# Allegro board mini_trx_layout.brd (continued)
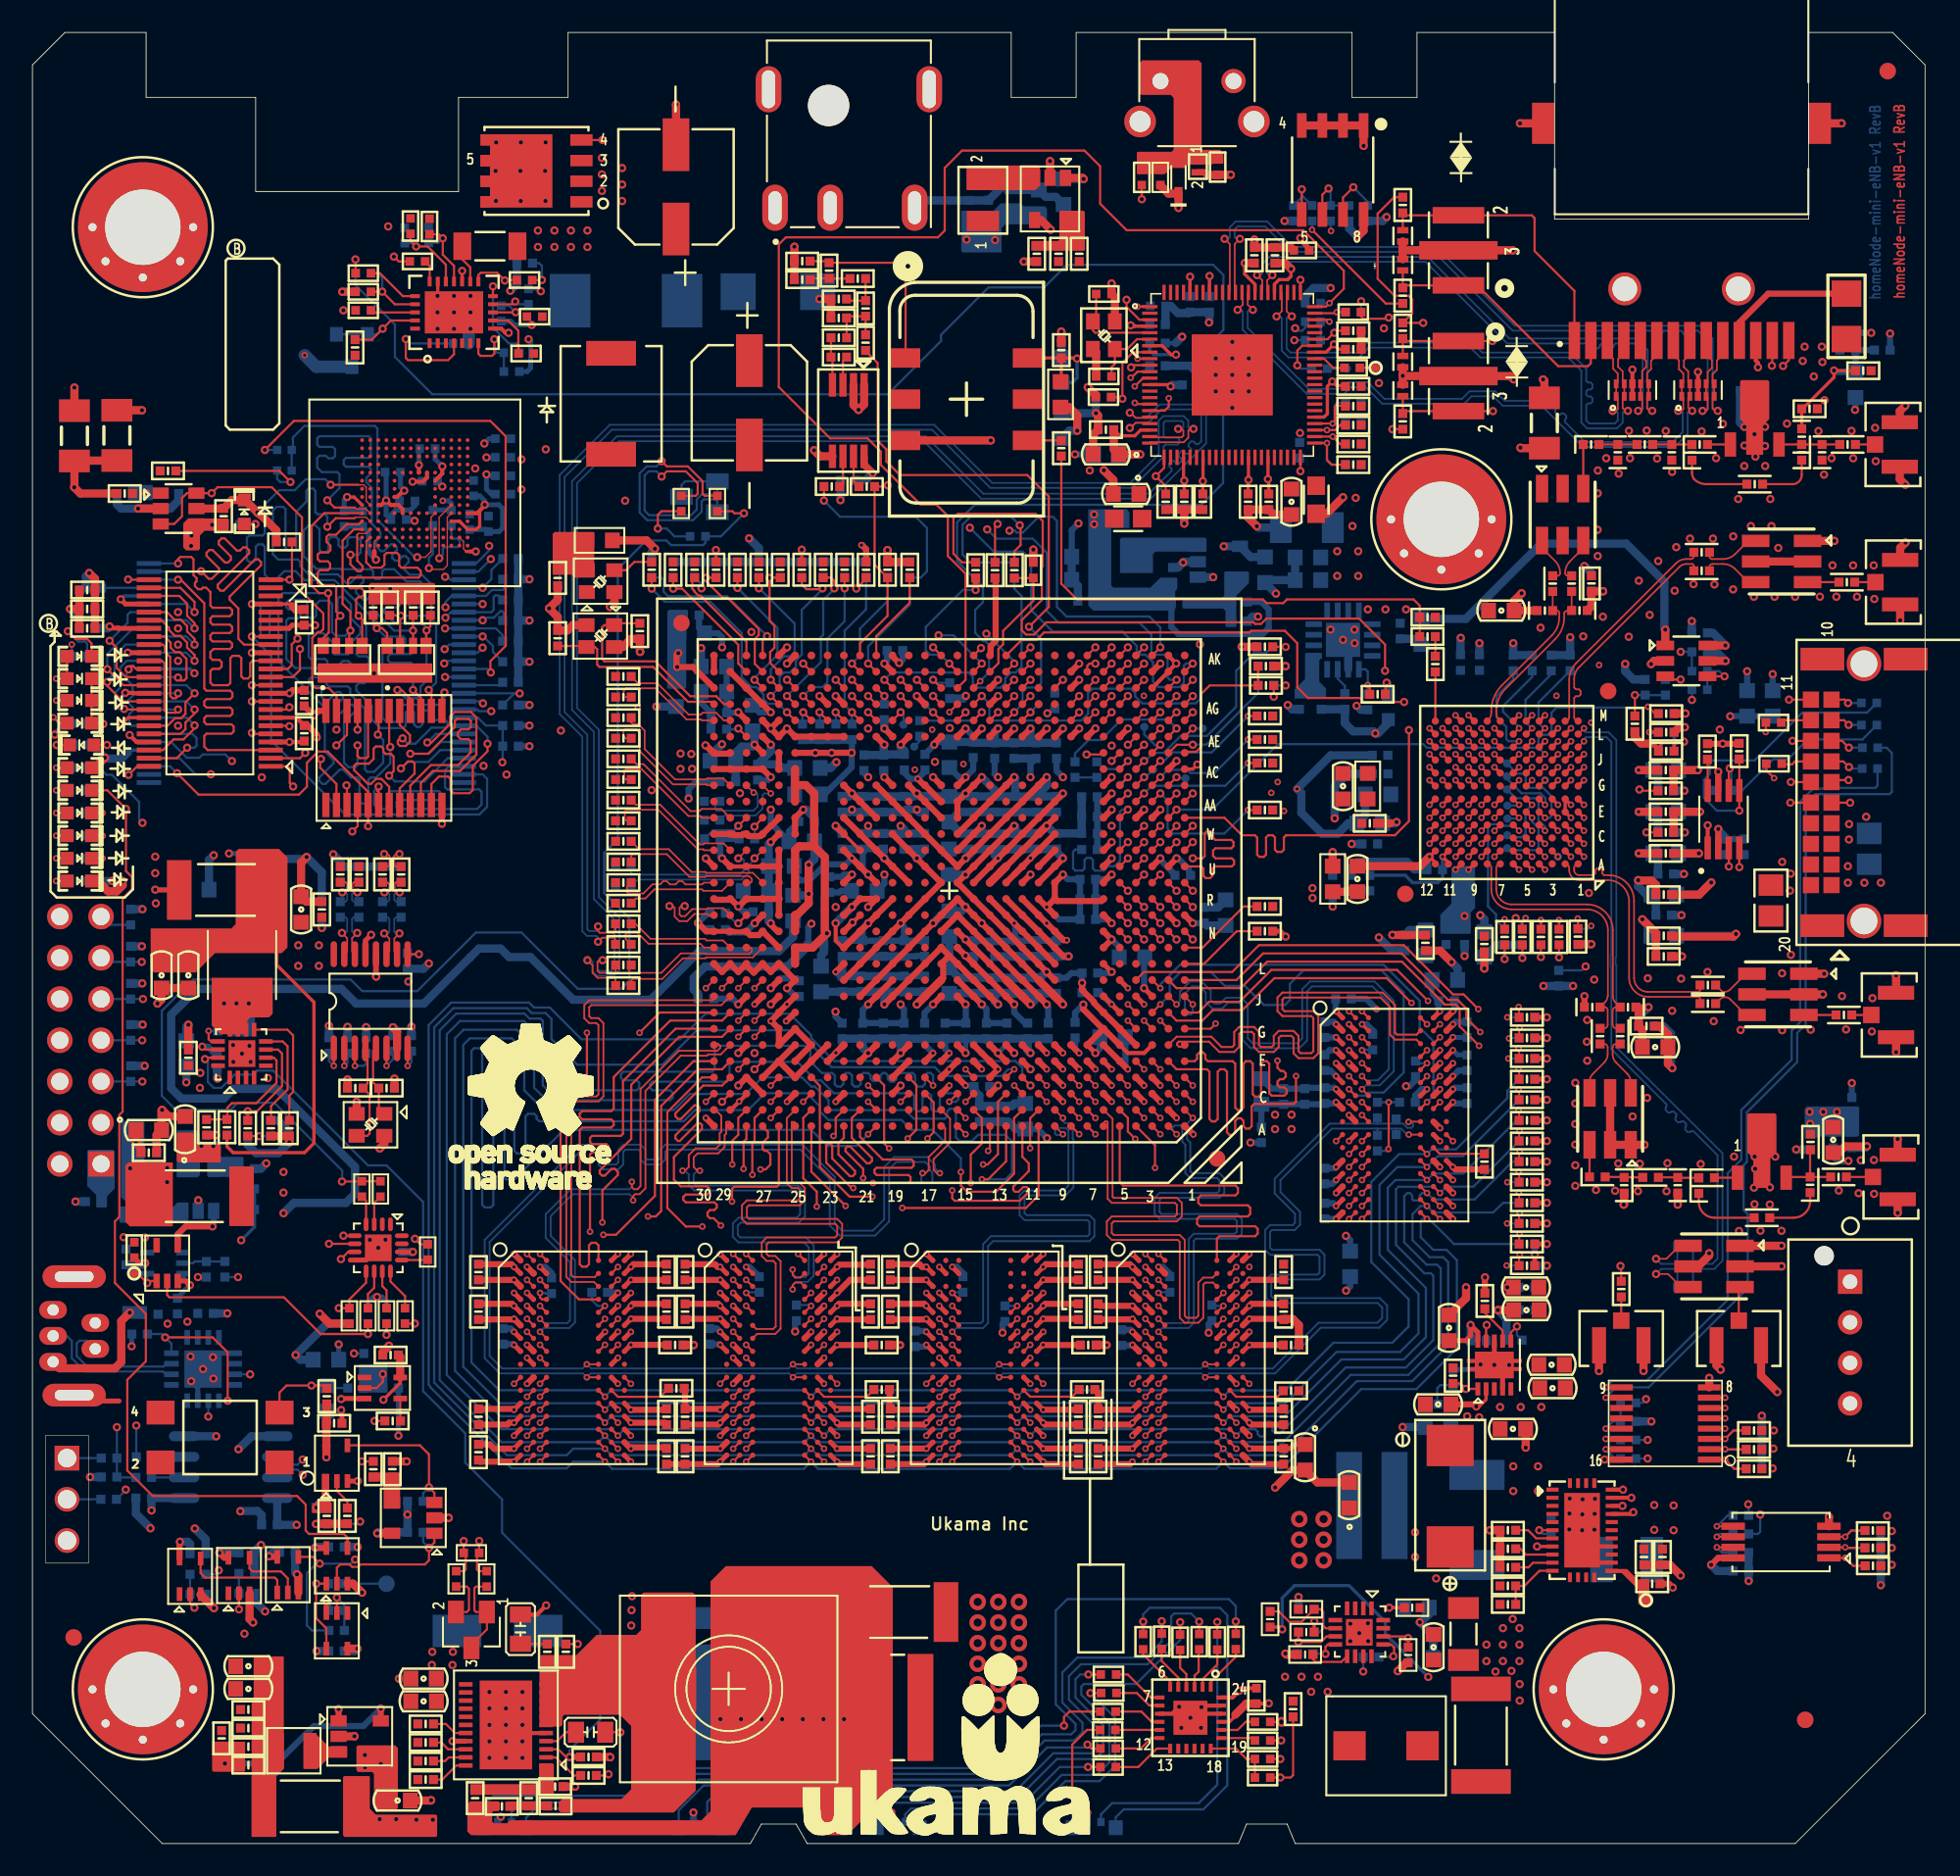
[diagram p0: board, top side]
## Routing (per net, layer and track width the routed paths; a pad name or vN(x,y) marks a point on that pad's centre or on a via; arc(x,y) is an arc through that point) (continued)
1V35_PG: length 36.9
  TOP w0.137: U14.14 10.63,48.93 v1(10.46,49.1)
  L3-SIGNAL w0.127: v1(10.46,49.1) 9.04,47.68 9.04,47.09 9.03,47.09 9.03,46.72 9.04,46.72 9.04,23.57 10.84,21.77 10.84,17.66 11.47,17.02 v1(11.47,16.84)
  BOTTOM w0.137: R436.1 11.27,16.59 11.47,16.79 v1(11.47,16.84)
  BOTTOM w0.381: R340.2 11.14,48.78 10.81,49.1 v1(10.46,49.1)
3V3: length 180.4
  TOP w0.203: U22.42 5.9,69.38 v1(5.49,68.98) ; 47.39,79.73 v1(47.4,79.73) R139.1 ; R129.1 42.11,79.58 42.11,79.58 v1(42.11,79.71) ; C115.1 v1(17.41,75.07) ; U57.5 22.66,28.38 v1(21.62,27.35) ; 74.1,7.94 74.1,7.86 73.74,7.5 U242.21
  TOP w0.254: C614.2 76.15,8.62 v1(76.17,8.64) ; C113.1 16.26,69.38 14.68,69.38 U22.7
  TOP w0.305: C651.2 78.66,98.28 78.11,98.83 v1(78.11,98.93) ; U28.14 v1(23.44,36.46) ; U22.31 5.31,74.88 5.29,74.9 4.85,74.9 v1(4.75,75) ; U42.10 89.05,31.51 v1(88.6,31.95) 88.6,31.29 88.3,30.99 C179.1 ; U22.18 15.8,74.88 16,75.07 C115.1
  TOP w0.356: 21.16,53.43 U13.12
  TOP w0.381: C113.1 16.95,68.9 17.51,68.33 v1(17.51,68.16) ; R76.1 100.83,16.01 v1(101.06,15.77) ; v1(14.57,17.71) 14.61,17.67 U34.5 ; U1.AJ3 v1(69.49,72.71) ; U1.AK19 52.99,73.15 v1(53.4,72.74) ; U20.16 v1(96.86,23.66) ; U1.AH13 v1(59.49,71.71) ; U1.AE13 v1(59.49,68.71) ; U1.AE20 v1(52.49,67.71) ; U1.AE9 v1(63.49,68.71) ; U1.AE11 v1(61.49,68.71) ; U33.5 11.81,17.62 v1(11.52,17.91) ; v1(17.42,18.24) 17.44,18.21 U16.5 ; U254.2 v1(103.86,62.52) ; U1.AK26 v1(46.49,73.71) ; U32.5 9.06,18.57 v1(9.09,18.6) ; U1.AE7 v1(65.49,68.71) ; U1.AE18 v1(53.49,67.71) ; v1(55.56,67.71) 55.56,67.78 U1.AE16 ; U19.8 103.85,17.6 v1(103.42,17.17) ; U1.AH8 v1(64.49,71.71) ; U1.AG23 v1(48.49,70.71) ; U1.AD25 v1(48.23,67.21) v1(49.24,67.21) 49.24,67.21 v1(50.47,67.21) ; U1.AG17 v1(54.49,70.71) ; U1.AE5 v1(67.49,68.71) ; U1.AE15 v1(57.49,68.71)
  TOP w0.508: C170.1 21.69,4.68 v1(21.46,4.9) U69.4 ; R603.1 v1(61.66,79.73) ; v1(81.63,99.01) 82.01,99.39 U250.8 ; v1(80.74,82.96) 79.72,81.94 FB19.2 ; U57.5 22.66,29.99 C57.1 ; v1(84.12,10.62) 84.63,11.14 R64.1 ; v1(21.18,53.42) 21.16,53.43 ; v1(3.5,78.29) 3.85,77.93 C103.1 C104.1 C294.1 ; R292.1 35.58,5.34 v1(35.6,5.32) ; R18.1 69.49,102.18 70,101.67 D6.K v1(70.61,100.79) ; U24.2 v1(6.51,82.26) ; R303.1 18.13,25.92 C98.1 U17.5 v1(18.11,23.8) ; v1(17.47,19.69) 17.65,19.69 17.66,19.71 R141.2 R146.2 ; C614.2 74.78,8.62 74.1,7.94 ; U44.1 51.24,88.68 v1(50.9,88.34) 50.59,88.65 U44.2 ; R567.1 v1(77.21,72.55) ; v1(64.76,102.57) 64.69,102.64 U83.1 ; v1(52.68,79.7) R152.1 52.68,78.97 R153.1 ; C111.1 L11.2 ; v1(62.73,99.44) 62.14,100.04 U83.4 ; v1(65.02,89.74) 65.46,89.3 65.47,89.3 65.51,89.26 R602.1 ; R199.1 v1(74.5,73.74) ; v1(17.7,32.64) 18.3,32.04 R181.2 ; U44.5 48.52,85.48 v1(48.15,85.86) ; U18.5 v1(20.02,12.01) ; U10.5 v1(21.24,19.12) ; v1(38.35,79.78) 37.83,80.3 L9.2 ; R556.1 v1(19.09,95.62)
  BOTTOM w0.203: R552.2 31.17,95.8 v1(31.32,95.66) ; R373.1 R369.1 ; v1(9.98,72.11) 9.71,72.38 U64.43
  BOTTOM w0.305: R182.1 20.67,33.35 21,33.68 v1(21.23,33.68) 21.53,33.68 21.81,33.4 R167.1 ; 23.32,36.46 v1(23.44,36.46)
  BOTTOM w0.381: v1(57.49,68.71) 57.96,68.24 C326.1 ; R623.1 R622.1 104.24,62.14 v1(103.86,62.52) ; v1(53.4,72.74) 53.62,72.96 C304.1 ; R386.1 50.49,67.24 v1(50.47,67.21) 50.47,66.32 48.8,64.65 L25.2 ; C317.1 54.99,67.14 v1(55.56,67.71) 55.72,67.88 C320.1 ; v1(63.49,68.71) 63.09,68.31 C353.1 ; R434.2 v1(30.62,67.62)
  BOTTOM w0.508: U245.1 v1(72.74,78.04) ; R429.2 29.93,74.1 R425.2 29.93,72.83 R430.2 ; R429.2 v1(30.62,75.37) ; R429.2 R428.2 R427.2 ; R330.2 38.15,79.59 v1(38.35,79.78) ; C601.1 v1(64.76,102.57) ; R426.2 R427.2 ; R427.2 v1(30.62,77.91) ; C347.1 C353.1 ; C347.1 C340.1 C333.1 ; C347.1 61.49,68.16 v1(61.49,68.71) ; v1(7.33,20.53) C130.2 U31.1 ; R340.1 11.38,47.16 v1(11.4,47.15) ; R431.2 R430.2 ; R430.2 v1(30.62,72.83) ; v1(3.5,78.29) 3.3,78.08 R390.2 ; C388.1 11.73,17.91 11.73,17.91 v1(11.52,17.91) ; C286.1 103.8,16.79 v1(103.42,17.17) ; v1(79.98,95.85) 78.92,95.85 78.41,95.34 R593.1 ; R329.1 v1(6.76,53) ; C302.1 52.45,67.67 v1(52.49,67.71) ; C302.1 51.24,67.08 C292.1 ; C302.1 52.49,67.12 C310.1 53.72,67.34 53.49,67.57 v1(53.49,67.71) ; C333.1 58.01,67.83 C326.1 C320.1 ; C333.1 59.28,68.5 v1(59.49,68.71) ; R369.1 R381.1 R386.1 ; L22.2 41.75,67.02 v1(42.48,67.74) ; v1(20.02,12.01) 19.87,11.86 C277.1 ; 23.32,36.46 23.31,36.45 C128.1 ; v1(4.75,75) 4.64,74.88 C294.1 ; R397.1 57.35,70.56 v1(57.5,70.72) ; R432.2 v1(30.62,70.16) ; R567.1 v1(77.21,72.55) ; R335.1 v1(6.79,50.46) ; C389.1 9.71,18.46 9.57,18.6 v1(9.09,18.6) ; R165.1 5.2,82.53 5.47,82.26 v1(6.51,82.26) 8.5,82.26 9.01,82.77 R161.2 ; R153.1 52.68,78.97 R392.1 v1(52.68,79.7) ; L21.2 v1(41.19,73.66) ; R325.1 v1(6.74,55.29) ; R236.1 v1(88.6,31.95) ; C86.1 v1(17.82,56.42) ; C275.1 17.46,18.28 v1(17.42,18.24) ; R179.1 v1(3.55,22.58) ; v1(14.57,17.71) 14.82,17.95 C390.1 ; L20.2 v1(38.44,70.06) ; C181.1 v1(49.78,82.78) ; R607.1 v1(77.14,99.99) ; R346.1 v1(6.91,47.92) ; R608.1 81.12,99.52 v1(81.63,99.01) ; R113.2 v1(23.11,20.27) R110.2 21.3,19.18 v1(21.24,19.12) ; v1(73.4,79.94) U245.4 75.05,79.28 C620.1 ; R210.1 v1(99.74,26.01)
  vias: v1(5.61,37.36) v1(6.93,37.34) v1(10.41,42.99) v1(11.14,42.98) v1(16.38,55.35) v1(16.38,54.08) v1(17.65,55.35) v1(17.65,54.08) v1(20.48,5.45) v1(20.49,4.7) v1(23.16,53.11) v1(77.17,10.28) v1(78.18,10.28) v1(78.78,9.35) v1(78.86,58.87) v1(78.87,58.27) v1(79.2,10.28) v1(79.8,9.35) v1(81.52,82.92) v1(89.58,12.26) v1(89.58,11.24) v1(90.14,10.6) v1(90.59,13.27) v1(90.59,12.26) v1(90.59,11.24) v1(91.12,10.64) v1(91.2,13.83) v1(91.61,13.27) v1(91.61,12.26) v1(91.61,11.24) v1(91.63,9.82) v1(91.63,8.81) v1(107.21,23.12) v1(107.28,25.45) v1(107.26,24.34) v1(109.07,91.36) v1(109.18,92.24) v1(109.75,90.4) v1(110.24,92.24) v1(110.28,91.29) v1(114.27,20.2) v1(114.55,19.26) v1(114.55,18.22) v1(114.55,17.17)
3V3_PG: length 89.9
  TOP w0.137: U4.14 84.65,12.77 v1(84.75,12.66) 84.75,12.66 R64.2
  L6-SIGNAL w0.127: v1(12.67,34.91) 12.67,31.8 20.73,23.73 20.73,21.86 19.74,20.87 19.74,19.66 23.15,16.25 81.17,16.25 v1(84.75,12.66)
  BOTTOM w0.137: R293.1 v1(12.67,34.91)
5V: length 18.4
  TOP w0.203: v4(78.05,19.99) 78.07,20.02 78.07,20.07 ; v1(83.59,14.53) C25.1
  TOP w0.305: U7.19 v1(25.88,6.31)
  TOP w0.381: U27.24 17.6,69.8 v1(17.32,69.52) 17.32,69.52 C114.1 ; R621.2 v1(104.13,67.77) 105.13,67.77 R625.1 ; U254.7 v1(103.86,66.05)
  BOTTOM w0.203: C200.1 v1(83.59,14.53)
  BOTTOM w0.381: v1(28.85,1.65) 28.66,1.45 LED11.2 ; LED14.2 v1(52.92,1.91) ; v1(104.6,69.46) 104.6,69.47 C659.1 L51.2 ; R624.1 103.86,65.06 v1(103.86,66.05) ; LED13.2 v1(40.72,1.91) ; LED12.2 v1(64.98,1.91)
  BOTTOM w0.508: R437.1 13.69,14.95 v1(14.33,14.31) ; C252.1 v1(9.48,46.91) ; R95.2 v1(4.92,59.31) ; R411.2 v1(12.01,32.67)
  vias: v1(10.34,47.49) v1(10.32,46.56) v1(24.63,11.81) v1(24.61,11) v1(25.9,11.81) v1(25.88,11) v1(103.95,68.64) v1(107.8,60.49) v1(108.32,59.77) v1(108.28,58.72) v4(78.05,18.72) v4(78.05,17.45) v4(79.55,19.99) v4(79.55,18.72) v4(79.55,17.45)
5V_LDO_EN: length 44.2
  TOP w0.137: R104.2 106.82,66.13 v2(107.3,65.65) ; U20.4 v2(104.28,25.57)
  L3-SIGNAL w0.127: v2(107.3,65.65) 107.35,65.6 107.35,53.44 107.35,53.44 107.35,44.08 107.82,43.62 107.82,39.06 108.21,38.67 108.21,29.5 v2(104.28,25.57)
5V_LDO_PG: length 46.4
  TOP w0.137: J23.13 v1(108.43,67.95) ; U20.5 v2(104.28,26.2)
  L3-SIGNAL w0.127: v2(104.28,26.2) 104.31,26.2 107.67,29.57 107.67,35.03 107.32,35.39 107.32,36.65 107.31,36.65 107.31,37.57 107.31,37.57 107.31,37.94 107.48,38.11 107.48,41.59 106.9,42.17 106.9,65.81 108.43,67.34 v1(108.43,67.95)
12V_ALRT: length 105.1
  TOP w0.137: v2(58.39,71.63) 57.99,71.22 U1.AH14
  BOTTOM w0.137: R557.1 19.91,96.02 22.33,93.6 22.33,91.61 24.63,89.31 52.69,89.31 55.98,92.59 55.98,92.97 58.9,95.89 62.33,95.89 63.72,97.29 72.74,97.29 73.37,96.65 73.37,93.28 72.38,92.28 72.38,91.25 72.56,91.06 72.97,91.06 73.35,90.69 73.35,83.83 72.02,82.49 58.05,82.49 56.96,81.41 56.96,79.03 58.56,77.43 58.56,76.49 58.08,76.01 58.08,74.6 58.58,74.1 58.69,74.1 58.94,73.86 58.94,72.17 v2(58.39,71.63)
12V_DCDC_PGOOD: length 45
  TOP w0.137: R627.2 106.79,68.5 v2(106.79,68.49) ; U20.6 v2(104.28,26.84)
  L3-SIGNAL w0.127: v2(104.28,26.84) 104.47,26.84 107.34,29.71 107.34,34.89 106.99,35.25 106.99,36.51 106.98,36.51 106.98,37.43 106.98,37.43 106.98,38.63 106.57,39.04 106.57,41.39 106.58,41.4 106.58,41.76 106.57,41.77 106.57,65.95 106.58,65.95 106.58,68.28 v2(106.79,68.49)
AVDD_1V5: length 19.3
  TOP w0.203: v1(67.66,93.55) 67.86,93.55 67.91,93.5 U243.4 ; C621.1 66.99,86.75 67.92,86.75 68.27,87.1 U243.20 ; U243.71 76.52,96.09 76.8,96.37 77.34,96.37 77.54,96.57 v1(77.54,97.03) ; U243.36 v1(74.92,84.03) 74.9,84.01 C625.1 ; U243.81 v1(72.52,96.59) ; C622.1 v1(70.96,83.98) 70.92,84.03 U243.26
  TOP w0.508: C624.1 77.18,97.39 v1(77.54,97.03) ; C621.1 66.62,85.91 C627.1 v1(68.24,85.6)
  BOTTOM w0.203: v1(72.52,96.59) 72.52,95.33 C623.1 ; C626.1 68.73,93.5 67.91,93.5 67.86,93.55 v1(67.66,93.55)
  BOTTOM w0.508: v1(68.24,85.6) FB18.1
AVDD_3V3: length 21.6
  TOP w0.203: U243.7 69.6,92.3 70.15,91.75 v1(70.45,91.75) ; U243.49 79.57,87.9 79.77,88.1 79.77,89.79 v1(80.08,90.1) 80.31,89.87 C633.1 ; C628.1 80.49,92.08 v1(80.18,92.38) 79.7,91.9 U243.59 ; U243.39 v1(76.12,84.08) 76.17,84.03 C634.1 ; U243.74 75.32,96.08 74.68,96.71 74.68,97.37 v1(74.7,97.39) ; U243.13 70.02,89.9 v1(70.12,89.79) ; U243.29 72.12,83.96 v1(72.1,83.95) C631.1 ; U243.84 v1(71.32,96.55)
  TOP w0.508: C635.1 v1(74.7,97.39)
  BOTTOM w0.203: C632.1 68.83,92 69.08,91.75 v1(70.45,91.75) ; C629.1 71.32,95.33 v1(71.32,96.55)
  BOTTOM w0.508: C630.1 70.21,89.88 v1(70.12,89.79)
GND: length 979.9
  TOP w0.083: 26.72,79.62 26.56,79.78 26.56,80.23 U29.N2
  TOP w0.203: U3.H3 v2(93.99,66.32) ; U3.D1 v2(95.59,62.41) ; U3.L12 v2(86.07,68.72) ; U3.A12 86.43,60.45 v2(86.07,60.81) U3.B12 ; v2(43.97,35.53) 43.97,35.53 U15.B3 ; U3.F7 v2(90.07,64.01) ; U3.B2 v2(94.79,60.81) ; U4.17 v1(81.74,12.97) ; U3.L11 v2(86.87,68.72) ; U3.C8 v2(89.27,61.61) ; U3.A6 v2(91.59,60.01) ; U3.C2 v2(94.79,61.61) ; U3.F9 v2(88.47,64.01) ; U3.G12 v2(86.07,65.52) ; U3.J2 v2(94.79,67.12) ; U3.K12 v2(86.07,67.92) ; U3.L8 v2(89.27,68.72) ; 16.03,76.25 15.9,76.38 U22.21 ; U3.L7 v2(90.07,68.72) ; U3.F11 v2(86.87,64.01) ; U3.H2 v2(94.79,66.32) ; U3.J1 v2(95.59,67.12) ; U29.A6 19.82,82.97 v1(19.38,82.97) ; U246.18 24.97,95.35 v1(25.97,94.35) ; C27.2 78.96,13.64 78.97,13.65 v1(78.97,13.69) ; U3.F3 v2(93.99,64.01) ; U3.G1 v2(95.59,65.52) ; U3.H6 v2(91.59,66.32) ; U3.H9 v2(88.47,66.32) ; U3.K2 v2(94.79,67.92) ; U3.C4 v2(93.19,61.61) ; U3.L9 v2(88.47,68.72) ; U3.C1 v2(95.59,61.61) ; U3.L3 v2(93.99,68.72) ; U3.C10 v2(87.67,61.61) ; 26.95,79.62 26.72,79.62 ; U3.L10 v2(87.67,68.72) ; U3.C9 v2(88.47,61.61) ; U1.W22 U1.V21 ; U3.F1 v2(95.59,64.01) ; U3.M4 v2(93.19,69.52) ; U3.C12 v2(86.07,61.61) ; U3.M5 v2(92.39,69.52) ; U30.E8 v2(74.17,33.13) ; U3.L2 v2(94.79,68.72) ; U35.B3 81.91,50.48 v2(81.91,50.49) ; U3.A5 v2(92.39,60.01) ; U3.H7 v2(90.07,66.32) ; U3.C7 v2(90.07,61.61) ; U3.G10 v2(87.67,65.52) ; U3.D12 v2(86.07,62.41) ; U3.M6 v2(91.59,69.52) ; U3.H1 v2(95.59,66.32) ; U3.A4 v2(93.19,60.01) ; U3.C11 v2(86.87,61.61) ; U3.E1 v2(95.59,63.21) ; U3.B1 v2(95.59,60.81) ; U3.H10 v2(87.67,66.32)
  TOP w0.254: U1.AK2 69.99,73.19 v1(70.46,72.71) 69.99,72.24 U1.AJ2 U1.AH3 ; v1(106.31,90.97) 106.31,91.24 106.17,91.38 J12.12 ; U8.26 v1(97.99,21.81) ; v1(5.72,70.91) 6.23,70.91 6.25,70.88 U22.39 ; U253.3 U253.8 v1(102.61,90.68) ; v1(23.81,84.94) U29.H10 ; U242.23 72.11,8.5 v1(72.02,8.4) ; U1.P21 50.99,57.2 50.55,56.76 v1(50.52,56.76) ; U8.19 96.47,18.31 v1(95.47,19.31) 95.47,17.99 96.15,17.31 U8.17 ; v1(29.34,93.09) 29.14,93.09 28.88,93.35 U246.8 ; U242.22 71.59,8 v1(71.34,7.75) ; R291.1 31.09,14.11 v1(31.65,14.67) ; v1(30.18,7.31) 30.68,6.81 U7.5 ; U22.45 6.41,67.88 v1(5.99,68.3) ; U1.U27 44.7,60.21 44.7,60.2 44.28,60.2 44.27,60.21 U1.U28 43.7,60.21 43.7,60.2 43.28,60.2 43.27,60.21 U1.U29 ; v1(22.9,83.37) 22.85,83.37 22.46,82.98 22.31,82.98 U29.E7 ; U252.3 U252.8 v1(98.57,90.82) ; U242.24 73.93,9 v1(74.34,9.41) 74.5,9.57 C614.1 ; v1(98.63,20.42) 98.52,20.31 U8.23 ; U242.9 70.22,8 v1(70.64,8.43) ; U254.1 v1(103.21,62.74) ; U1.B29 43.02,45.21 v2(43.54,45.73) 43.55,45.73 43.99,46.17 U1.C28 ; U8.25 v1(98.51,21.31) ; v1(27.31,79.62) 26.95,79.62 ; C113.2 16.69,67.88 v1(15.83,67.88) ; U8.24 v1(97.96,20.81)
  TOP w0.305: U23.J2 v2(55.87,29.93) ; U11.J8 v2(36.07,29.93) ; v2(36.87,23.53) U11.T9 ; J7.SH1 2.93,27.27 5.33,27.27 ; U11.P1 v2(29.67,25.13) ; U22.4 v1(15.83,67.88) ; U11.P9 v2(36.87,25.13) ; U17.3 v1(20.05,22.34) ; U11.B1 v2(29.67,35.53) ; U23.E8 v2(61.47,33.13) ; U15.T9 v2(49.57,23.53) ; U22.28 5.73,76.38 v1(5.44,76.67) ; U22.21 14.68,76.38 v1(13.52,76.38) ; U23.B3 v2(56.67,35.53) ; v2(55.07,35.53) U23.B1 ; v2(29.67,23.53) U11.T1 ; U15.P1 v2(42.37,25.13) ; C98.2 19.07,26.66 v1(19.02,26.71) ; U5.3 9.45,34.67 v1(9.7,34.41) ; v2(68.49,51.71) U1.J4 ; v1(19.02,27.39) 19.12,27.39 19.15,27.42 U57.3 ; v1(6.94,35.77) 6.6,35.77 C206.2 ; U23.G9 v2(62.27,31.53) ; U11.J2 v2(30.47,29.93) ; U42.4 90.57,28.98 v1(90.06,29.49) U42.8 ; U23.E2 v2(55.87,33.13) ; U15.G1 v2(42.37,31.53) ; U11.D8 v2(36.07,33.93) ; U23.G1 v2(55.07,31.53) ; U15.T1 v2(42.37,23.53) ; v2(55.07,33.13) U23.E1 ; U23.P9 v2(62.27,25.13) ; U15.P9 v2(49.57,25.13) ; v2(36.87,36.33) U11.A9 ; U30.J8 v2(74.17,29.93) ; U23.J8 v2(61.47,29.93) ; U15.F9 v2(49.57,32.33) ; U23.D1 v2(55.07,33.93) ; v2(36.87,26.73) U11.M9 ; v1(20.86,55.99) 20.51,55.64 U13.13 ; U18.3 v1(18.11,14.97) ; v2(29.67,33.13) U11.E1 ; v2(62.27,35.53) U23.B9 ; U15.M1 v2(42.37,26.73) ; U30.M9 v2(74.97,26.73) ; U11.F9 v2(36.87,32.33) ; U22.15 v1(13.52,73.38) ; U23.P1 v2(55.07,25.13) ; U15.D1 v2(42.37,33.93) ; v2(31.27,35.53) U11.B3 ; v2(49.57,36.33) U15.A9 ; U23.G8 v2(61.47,31.53) ; U11.G8 v2(36.07,31.53) ; v1(21.3,36.71) 20.56,35.96 20.38,35.96 20.37,35.96 U28.8 ; U11.G1 v2(29.67,31.53) ; U15.E1 v2(42.37,33.13) ; U15.M9 v2(49.57,26.73) ; U15.B9 v2(49.57,35.53) ; v2(62.27,23.53) U23.T9 ; U15.J2 v2(43.17,29.93) ; U1.N30 U1.N29 43.23,56.21 43.27,56.18 43.71,56.18 43.74,56.21 U1.N28 ; U11.D1 v2(29.67,33.93) ; U22.34 v1(5.87,73.38) ; U23.D8 v2(61.47,33.93) ; U23.A9 v2(62.27,36.33) ; U11.E8 v2(36.07,33.13) ; v2(36.87,31.53) U11.G9 ; v2(49.57,31.53) U15.G9 ; U11.M1 v2(29.67,26.73) ; U15.B1 v2(42.37,35.53) ; U35.M9 v2(87.51,41.69) ; v2(62.27,32.33) U23.F9 ; v2(55.07,23.53) U23.T1 ; U23.M1 v2(55.07,26.73) ; v1(15.83,70.88) U22.10 ; v2(62.27,26.73) U23.M9 ; U11.E2 v2(30.47,33.13) ; U15.E2 v2(43.17,33.13) ; U11.B9 v2(36.87,35.53)
  TOP w0.381: U1.N28 44.22,55.98 44.76,55.98 U1.N27 U1.M26 ; U1.Y26 45.99,63.18 45.51,62.71 45.49,62.71 U1.W27 44.86,62.08 44.12,62.08 U1.W28 43.79,62.21 43.72,62.14 43.25,62.14 43.18,62.21 U1.W29 U1.W30 ; v2(49.57,35.53) 49.71,35.67 51.61,35.67 C102.2 ; U1.Y9 v1(62.49,62.71) U1.V11 59.49,59.71 U1.T13 ; U30.E2 v2(68.57,33.13) ; v2(42.37,33.13) 42.24,33.26 C89.2 ; v2(42.37,23.53) 42.22,23.38 C87.2 C81.2 ; U1.N6 v1(66.49,55.71) U1.M6 ; v1(41,56.73) 41.52,56.21 U1.N30 ; U1.E13 v2(59.49,47.71) ; v2(59.49,47.71) 58.49,48.71 U1.F14 ; v2(59.49,47.71) U1.D13 ; v1(62.49,68.71) U1.AE10 ; U27.12 v1(25.23,62.84) ; U1.M15 v1(57.49,54.71) U1.L14 U1.K13 U1.J12 v1(60.49,51.71) ; C99.2 49.72,23.38 v2(49.57,23.53) ; C100.2 49.62,26.78 v2(49.57,26.73) ; U1.P2 v1(70.49,56.71) ; U1.R26 U1.T26 U1.U26 ; U1.R26 U1.P26 ; U1.R26 U1.R27 U1.R28 43.52,57.74 v1(43.48,57.74) 43.01,58.21 U1.R29 42.93,58.16 42.04,58.16 U1.R30 ; v2(62.27,26.73) 64.39,26.73 C118.2 ; v1(51.49,51.71) U1.J20 U1.K19 ; U1.N22 50.52,56.75 v1(50.52,56.76) ; v2(62.27,32.33) 64.4,32.33 C119.2 ; U30.M1 v2(67.77,26.73) 65.71,26.73 C125.2 65.66,27.77 R163.1 ; U1.U26 U1.U27 ; U1.U26 U1.V26 ; v1(60.49,62.71) U1.W12 U1.V13 U1.U14 v1(57.48,59.7) U1.T15 U1.R14 U1.P13 U1.N12 U1.M11 U1.L10 U1.K9 ; U1.F23 U1.E24 U1.D25 U1.E26 ; v1(49.49,70.71) U1.AG22 ; U1.AF27 v1(45.49,68.71) ; v1(45.49,68.71) U1.AF26 ; v1(45.49,68.71) U1.AE26 v1(46.49,68.71) U1.AE25 U1.AE24 U1.AE23 U1.AE22 ; U1.A30 41.95,44.25 v2(41.49,44.71) ; v2(68.49,46.71) U1.D4 ; U1.R9 U1.T9 v1(63.49,59.71) ; U1.R9 v2(62.49,57.71) U1.P9 U1.R10 ; U1.R9 63.12,58.08 65.86,58.08 U1.R6 ; R214.1 89,41.54 87.66,41.54 v2(87.51,41.69) ; v1(64.49,72.71) U1.AJ8 ; v2(51.07,80.01) 51.11,80.01 51.36,79.76 R150.2 ; C61.2 29.5,35.7 v2(29.67,35.53) ; U30.B3 v2(69.37,35.53) ; C114.2 16.01,71.06 v1(15.83,70.88) ; v2(69.49,45.71) U1.C3 ; v1(59.49,70.71) U1.AG13 ; C84.2 37.04,35.7 v2(36.87,35.53) ; v2(67.77,23.53) 67.62,23.38 C124.2 ; v1(60.49,68.71) U1.AE12 ; v1(66.49,64.71) U1.AA6 ; v2(29.67,26.73) 29.62,26.78 C59.2 ; v2(55.07,23.53) 54.92,23.38 C107.2 ; U35.T1 v2(80.31,38.49) ; C126.2 65.78,33.13 v2(67.77,33.13) U30.E1 ; v2(55.07,33.13) 54.94,33.26 C109.2 ; v1(63.84,54.67) 63.53,54.67 U1.M9 U1.N10 U1.P11 U1.R12 ; v1(61.49,47.71) U1.E11 ; v2(36.87,26.73) 36.88,26.73 39.01,26.73 C82.2 ; U35.E2 v2(81.11,48.09) ; U15.J8 v2(48.77,29.93) ; U35.E1 v2(80.31,48.09) ; U30.D8 v2(74.17,33.93) ; v2(44.49,51.71) U1.J27 ; U1.AJ29 U1.AH28 U1.AG27 v1(45.49,69.71) ; v1(46.49,52.71) U1.K25 U1.L26 45.49,53.71 U1.L27 44.44,53.66 43.99,54.11 U1.L28 43.49,53.71 U1.L29 42.49,53.71 U1.L30 ; U35.A9 v2(87.51,51.29) ; U35.J8 v2(86.71,44.09) ; v2(42.37,26.73) 42.32,26.78 C88.2 40.2,28 R126.1 ; v1(52.49,72.71) U1.AJ19 ; D5.2 72.22,102.98 72.39,102.82 ; v2(56.49,47.71) U1.D16 U1.E15 ; U35.G1 v2(80.31,46.49) ; U1.T22 v1(50.49,59.71) ; v1(52.49,65.71) U1.AB19 ; v1(49.49,62.71) U1.W22 ; v2(62.49,48.71) U1.F10 ; C135.2 75.12,23.38 U30.T9 v2(74.97,23.53) ; v2(49.57,32.33) 49.61,32.29 C101.2 ; v1(45.49,65.71) U1.AC27 U1.AC28 U1.AC29 U1.AC30 ; U1.AD29 42.94,67.16 42.03,67.16 41.52,67.68 v1(41.46,67.68) 41.93,67.21 U1.AD30 ; U1.F6 v2(67.49,47.71) U1.E5 ; U35.D1 v2(80.31,48.88) ; U1.V9 U1.U10 ; v1(52.49,68.71) U1.AE19 ; v2(63.49,46.71) U1.D9 ; R151.1 52.8,26.84 C108.2 52.9,26.73 v2(55.07,26.73) ; U30.F9 v2(74.97,32.33) 77.05,32.33 C137.2 ; v2(48.77,33.93) U15.D8 ; v1(45.49,51.71) U1.J26 ; U1.F4 U1.G5 U1.H6 65.39,51.8 65.39,51.87 64.67,52.6 v1(64.67,53.03) ; v1(66.49,60.71) U1.U6 ; v1(55.49,65.71) U1.AB16 ; v2(49.49,53.71) U1.L22 ; v2(54.54,65.61) 54.94,65.21 U1.AB17 U1.AA16 ; U1.F25 U1.E26 ; U1.E26 U1.D27 ; U30.A9 v2(74.97,36.33) ; U30.P9 v2(74.97,25.13) ; U30.G9 v2(74.97,31.53) ; U1.J10 v1(62.49,51.71) U1.K11 U1.L12 U1.M13 U1.N14 U1.P15 U1.N16 ; v2(62.27,23.53) 62.42,23.38 C117.2 ; v1(58.49,62.71) U1.W14 U1.V15 ; C60.2 29.54,33.26 v2(29.67,33.13) ; U30.J2 v2(68.57,29.93) ; U30.G8 v2(74.17,31.53) ; U1.AC26 U1.AD26 ; U1.H25 46.45,50.68 v2(46.43,50.68) ; v2(70.49,44.71) U1.B2 ; U15.G8 v2(48.77,31.53) ; U1.D19 U1.E18 ; v1(58.49,51.71) U1.J14 U1.K15 ; U1.E7 v2(65.49,47.71) ; U35.B9 v2(87.51,50.49) ; C120.2 62.44,35.7 v2(62.27,35.53) ; v2(29.67,23.53) 27.58,23.53 C58.2 ; v1(69.49,60.71) U1.U3 ; U35.F9 v2(87.51,47.29) ; C127.2 67.6,35.7 v2(67.77,35.53) U30.B1 ; U35.M1 v2(80.31,41.69) ; v1(55.49,51.71) U1.J16 ; U30.D1 v2(67.77,33.93) ; U35.G9 v2(87.51,46.49) ; v1(64.49,68.71) U1.AE8 ; U1.U29 v1(42.49,60.71) ; v2(55.07,35.53) 54.81,35.53 54.65,35.7 C110.2 ; U35.E8 v2(86.71,48.09) ; U1.J15 v1(57.49,51.71) ; v2(74.97,26.73) 77.04,26.73 C136.2 ; C90.2 42.05,35.7 42.21,35.53 v2(42.37,35.53) ; v1(68.49,63.71) U1.Y4 ; v1(70.49,66.71) U1.AC2 ; v2(36.87,32.33) 39.02,32.33 C83.2 ; U35.P1 v2(80.31,40.09) ; U35.P9 v2(87.51,40.09) ; v1(57.49,65.71) U1.AB15 ; U35.J2 v2(81.11,44.89) ; U1.AK25 v1(46.49,72.71) ; v1(58.49,68.71) U1.AE14 ; U30.G1 v2(67.77,31.53) ; v2(66.49,46.71) U1.D6 ; v1(60.49,48.71) U1.F12 ; U1.A1 v2(71.52,43.7) ; U30.P1 v2(67.77,25.13) ; U35.B1 v2(80.31,50.49) ; U1.AJ30 U1.AK30 ; v2(63.49,47.71) U1.E9 ; U1.U30 v1(41.49,60.71) ; U35.G8 v2(86.71,46.49) ; U35.T9 v2(87.51,38.49) ; U1.F8 v2(64.49,48.71) ; U35.D8 v2(86.71,48.88) ; v2(48.77,33.13) U15.E8
  TOP w0.457: v1(51.77,84.44) 51.24,84.98 U44.8
  TOP w0.508: J9.2 v1(114.81,53.5) ; v1(75.29,98.83) 75.28,98.82 C635.2 C624.2 77.53,98.35 C651.1 ; J10.2 115.07,79.83 v1(115.4,80.16) ; v1(66.01,84.62) 66.01,84.61 66.59,84.03 C641.2 ; C105.2 v2(53.46,30.72) ; C57.2 21.58,30.3 v1(21.96,30.68) ; C104.2 v1(2.32,76.08) ; C104.2 C294.2 ; C104.2 C103.2 ; J18.3 v1(96.51,29.12) ; v1(16.89,60.79) 16.55,60.45 C260.2 16.86,58.04 C93.1 ; v1(75.44,81.17) 74.9,81.71 C625.2 C634.2 76.47,81.89 C636.2 ; U24.5 11.77,82.26 R159.1 12.3,82.8 LED6.2 13.09,82.8 v1(13.86,82.02) 13.94,81.94 14,81.94 15.02,80.92 R162.1 ; C30.1 77.25,11.65 v1(77.19,11.7) ; U67.5 U67.2 U67.1 v1(99.31,43.06) ; R444.2 R445.2 95.23,55.41 v1(96.03,55.42) ; v1(7.7,51.76) 7.95,52.01 C76.2 C77.2 ; R1.1 v1(23.05,23.55) ; J19.2 115.04,88.26 v1(115.38,88.6) ; C609.2 v1(39.65,107.16) ; J11.3 103.75,29.45 v1(104.01,29.2) ; J19.3 115.04,84.08 v1(115.38,83.74) ; v1(11.18,14.51) 10.36,15.33 U32.3 ; v1(73.83,102.83) C6.1 73,102.82 72.39,102.82 ; J9.3 v1(114.81,48.76) ; v1(37.44,73.43) 37.44,73.44 37.42,73.45 C79.2 36.87,74.23 36.37,73.73 Y2.4 ; C413.2 86.72,55.02 v1(87.43,54.31) ; C638.2 C628.2 ; v1(89.45,53.92) 89.45,53.92 C424.2 ; v1(107.5,27.83) 106.5,28.83 J11.2 ; C111.2 85.49,60.23 v2(86.07,60.81) ; J20.3 v1(114.92,38.86) ; v1(66.48,96.13) C650.2 66.68,95.28 Y4.2 ; C91.2 v1(19.41,47.08) ; v1(35.58,76.2) 35.85,76.48 U12.2 ; C26.2 79.17,22.25 C106.2 77.64,23.02 v1(76.56,21.94) ; v1(101.8,68.79) 101.47,68.79 101.16,68.48 C171.2 ; v1(99.72,72.68) 99.91,72.88 U25.2 ; U39.5 U39.2 v1(110.31,52.33) ; R70.1 v1(33.44,3.51) ; v1(93.07,90.22) 93.15,90.14 C19.2 ; v1(102.72,63.58) C429.2 R468.2 ; U83.2 v1(62.69,103.67) ; J18.2 v1(99.26,29.12) ; J20.2 v1(114.92,43.42) ; U39.1 v1(110.38,53.6) ; C179.2 88.32,33.61 v1(88.32,34.27) ; U40.1 v1(111.01,80.27) ; v1(20.31,15.46) 19.75,16.01 U16.3 ; C622.2 v1(70.96,81.33) ; C622.2 C637.2 ; C622.2 C631.2 ; U250.4 U250.3 U250.2 U250.1 v1(82.01,104.61) ; C167.2 91.99,24.47 92,24.47 v1(92,24.4) ; C137.2 77.11,32.32 77.64,32.32 78.03,31.94 C139.2 ; v1(5.56,59.31) 5.56,59.05 5.18,58.68 4.66,58.68 4.02,59.31 LED2.2 ; v1(48.49,95.18) C176.2 C182.2 ; C95.2 8.39,44.8 v1(7.99,45.21) 7.95,45.18 C96.2 7.65,43.66 C97.2 ; v1(4.46,66.91) 3.85,66.3 LED3.2 ; v1(16.3,16.59) 16.38,16.51 U34.3 ; v1(103.3,36.37) 103.3,36.25 102.62,35.56 U43.5 ; v1(89.79,19.31) C220.1 R294.1 C209.1 ; Y3.2 v1(19.97,45.71) ; v1(65.52,88.14) 65.65,88.01 C621.2 65.35,86.82 C627.2 ; C133.2 98.72,68.16 99.1,67.78 100.16,67.78 v1(100.17,67.79) C172.2 ; C163.2 101.03,55.89 104.79,55.89 v1(104.95,56.05) ; C115.2 16.24,76.04 16.03,76.25 ; v1(98.03,39.37) 98.06,39.4 C447.2 ; U1.W10 v1(62.49,62.71) ; U33.3 13.37,13.84 v1(13.59,13.62) ; C41.2 100.42,17.17 C40.1 100.89,17.18 v1(101.55,16.52) ; R546.1 v1(61.07,97.48) ; R469.1 101.11,66.14 C434.2 v1(102.59,66.14) ; C652.2 65.53,91.89 Y4.4 ; C92.2 v1(9.6,50.46) ; U10.2 v1(25.64,20.07) ; U20.8 v1(103.3,28.69) ; C121.2 v2(66.19,30.72) ; U13.7 22.46,50.04 v1(22.21,50.3) ; C63.2 32.36,76.64 v1(31.83,76.11) 32.36,75.58 C62.2 32.96,74.76 33.29,75.08 Y2.2 ; U38.3 v1(59.04,86.46) ; v1(46.94,98.4) C152.2 C169.2 ; C452.2 v1(101.36,39.37) ; C144.1 100.25,50.37 100.76,49.86 C141.2 100.76,48.05 v1(101.02,47.79) ; U43.2 107.75,35.56 v1(107.76,35.57) ; C170.2 24.54,2.65 v1(24.56,2.67) ; v1(103.43,59.22) 102.68,58.47 C435.2 ; U1.U12 U1.T13 ; Y3.4 21.67,43.12 v1(21.39,42.84) ; R164.1 2.96,83.19 v1(2.57,83.57) 2.58,83.58 C1.2 2.61,85.22 C5.2 ; R136.1 v1(11.3,43.66) ; C85.2 v1(40.74,30.72) ; C449.2 v1(90.28,32.87) ; C164.2 v1(102.66,61.01) ; v1(15.83,43.21) C94.1 R138.1 ; C80.2 v1(22.3,47.13) ; U43.1 v1(107.76,36.83) ; v1(113.02,42.96) 111.67,42.96 111.28,42.57 C464.2 ; U19.4 v1(110.68,20.13) ; U69.2 19.83,6.61 v1(19.84,6.61) ; v1(63.39,93.17) C154.2 ; U40.5 U40.2 ; J10.3 v1(115.07,75.38)
  BOTTOM w0.203: U64.52 5.65,76.88 v1(5.44,76.67) ; 5.88,67.24 6.02,67.38 U64.33
  BOTTOM w0.254: C632.2 70.44,92.46 ; v1(31.65,14.67) 31.15,14.18 C231.2
  BOTTOM w0.305: v1(30.57,92.7) 30.7,92.57 30.7,90.92 30.48,90.7 R551.1 ; R560.1 29.46,93.81 29.69,93.58 v1(30.76,93.58) ; C370.2 C368.2 19.2,82.79 v1(19.38,82.97) ; C116.1 6.12,30.65 v1(6.11,30.64) ; U6.3 9.27,34.84 v1(9.7,34.41) 8.93,33.64 C123.1 ; v1(18.11,14.97) 18.25,14.83 C276.2 ; C374.2 22.61,83.08 v1(22.9,83.37) 22.67,83.6 C372.2 ; v1(19.02,26.71) 18.95,26.65 C238.2 ; C211.2 v1(10.2,34.9) ; v1(11.12,29.97) 11.37,30.21 U26.13 ; C375.2 23.47,81.58 v1(23.55,81.51) ; v1(25.25,83.62) 24.96,83.9 C376.2 ; C235.2 v1(22.55,25.13) ; v1(9.78,28.49) 10.18,28.09 U26.3 ; v1(23.81,84.94) 23.81,85.9 C377.2 ; R475.2 88.91,29.21 v1(89.22,29.52)
  BOTTOM w0.381: C317.2 54.99,66.05 v2(54.54,65.61) 54.08,65.61 53.72,65.98 C310.2 ; R317.1 31.98,35.15 31.59,35.53 v2(31.27,35.53) ; C353.2 63.09,66.11 v1(63.49,65.71) ; C431.2 87.66,50.63 v2(87.51,50.49) ; v1(57.49,54.71) 57.52,54.67 C329.2 ; C352.2 62.58,51.52 62.49,51.62 v1(62.49,51.71) ; v2(43.97,35.53) 44.18,35.53 R356.1 ; v1(52.49,59.71) 52.49,59.16 C293.2 ; v1(45.49,65.71) 45.32,65.54 C263.2 ; v1(80.93,34.07) 81.18,34.32 C410.2 ; C318.2 C324.2 57.5,51.69 v1(57.49,51.71) ; v1(60.49,51.71) 60.49,51.22 61.15,50.56 C346.2 ; C257.2 41.19,70.29 C258.2 ; v1(42.49,73.71) 42.49,74.33 42.24,74.58 C249.2 41.07,74.91 C248.2 ; v2(80.31,41.69) 80.24,41.62 C405.2 ; C292.2 51.23,65.97 v1(51.49,65.71) ; v2(80.31,38.49) 80.31,38.49 C406.2 ; v2(49.49,53.71) 49.75,53.45 C282.2 ; v1(84.63,46.67) 84.84,46.67 85.21,47.04 R443.1 ; v2(67.49,47.71) 67.33,47.86 C367.2 ; C366.2 v1(64.67,53.03) C365.2 64,53.63 63.71,53.35 C357.2 62.85,53.35 v1(62.49,53.71) ; C278.2 49.86,59.57 50,59.71 v1(50.49,59.71) ; C432.2 87.86,47.64 v2(87.51,47.29) ; R440.1 82.57,50.1 82.19,50.49 v2(81.91,50.49) ; C304.2 52.65,72.88 v1(52.49,72.71) ; R313.2 29.47,31.74 v2(29.67,31.53) ; C369.2 67.64,31.66 v2(67.77,31.53) ; C371.2 66.95,55.24 v1(66.49,55.71) ; C314.2 54.92,54.71 54.49,54.71 54.45,54.67 C307.2 ; v1(62.51,43.47) 61.95,44.03 C345.2 ; v1(112.29,88.34) 112.31,88.37 C461.2 ; C358.2 64.23,48.96 v2(64.49,48.71) ; C402.2 80.17,50.63 v2(80.31,50.49) ; v1(72.47,31.48) 72.47,32.02 R421.1 ; R366.1 46.99,32.15 v1(46.99,31.55) ; v1(45.49,69.71) 44.79,69.71 C261.2 ; C259.2 41.45,65.44 41.44,65.45 40.96,65.45 40.94,65.44 40.89,65.44 40.42,64.97 v1(40.42,64.4) ; R324.1 36.04,33.97 v2(36.07,33.93) ; C311.2 55.02,31.58 v2(55.07,31.53) ; v2(62.49,57.71) 63.25,56.94 C361.2 C360.2 C359.2 63.78,59.42 v1(63.49,59.71) ; v1(64.44,81.35) 64.03,80.93 C617.2 ; v2(80.31,46.49) 80.23,46.57 C404.2 78.43,46.57 C392.2 C391.2 76.32,46.52 C383.2 ; R344.1 41.41,56.32 v1(41,56.73) 41.61,57.34 R343.1 ; C271.2 46.61,62.36 C270.2 45.65,62.71 45.49,62.71 v1(45.49,63.71) ; C320.2 57.08,65.71 v1(57.49,65.71) 57.96,66.18 C326.2 ; v1(53.49,51.71) 53.49,51.62 53.69,51.42 C309.2 C299.2 C291.2 51.15,51.38 v1(51.49,51.71) ; C373.2 70.39,59.71 69.48,60.61 v1(69.49,60.71) ; R418.1 70.08,35.11 69.65,35.53 v2(69.37,35.53) ; v2(56.67,35.53) 56.94,35.53 57.32,35.15 R405.1 ; R354.1 R339.1 42.37,60.83 v1(42.49,60.71) ; C302.2 52.45,65.75 v1(52.49,65.71) ; C316.2 54.96,51.19 v1(55.49,51.71) ; C269.2 47,52.2 v1(46.49,52.71) ; C254.2 42.17,31.74 v2(42.37,31.53) ; v2(87.51,51.29) 87.6,51.37 C428.2 ; v2(87.51,46.49) 87.6,46.57 C433.2 ; C438.2 v1(90.86,34.28) ; R433.2 v1(30.62,68.89) ; C283.2 49.48,50.96 v1(49.48,51.26) ; C347.2 61.49,66.53 v1(61.49,65.71) ; C264.2 43.81,57.41 v1(43.48,57.74) 43.78,58.04 C262.2 ; C274.2 47.8,56.49 v1(47.99,56.68) ; R408.1 59.77,32.02 v1(59.77,31.48) ; C659.2 v1(105.64,72.24) ; v1(58.49,51.71) 58.77,51.42 C332.2 C339.2 ; C315.2 C308.2 ; C403.2 79.91,48.88 v2(80.31,48.88) ; C333.2 59.28,65.92 v1(59.49,65.71) ; C408.2 82.17,52.06 v2(82.8,51.42)